# KiCad board dogooder.kicad_pcb
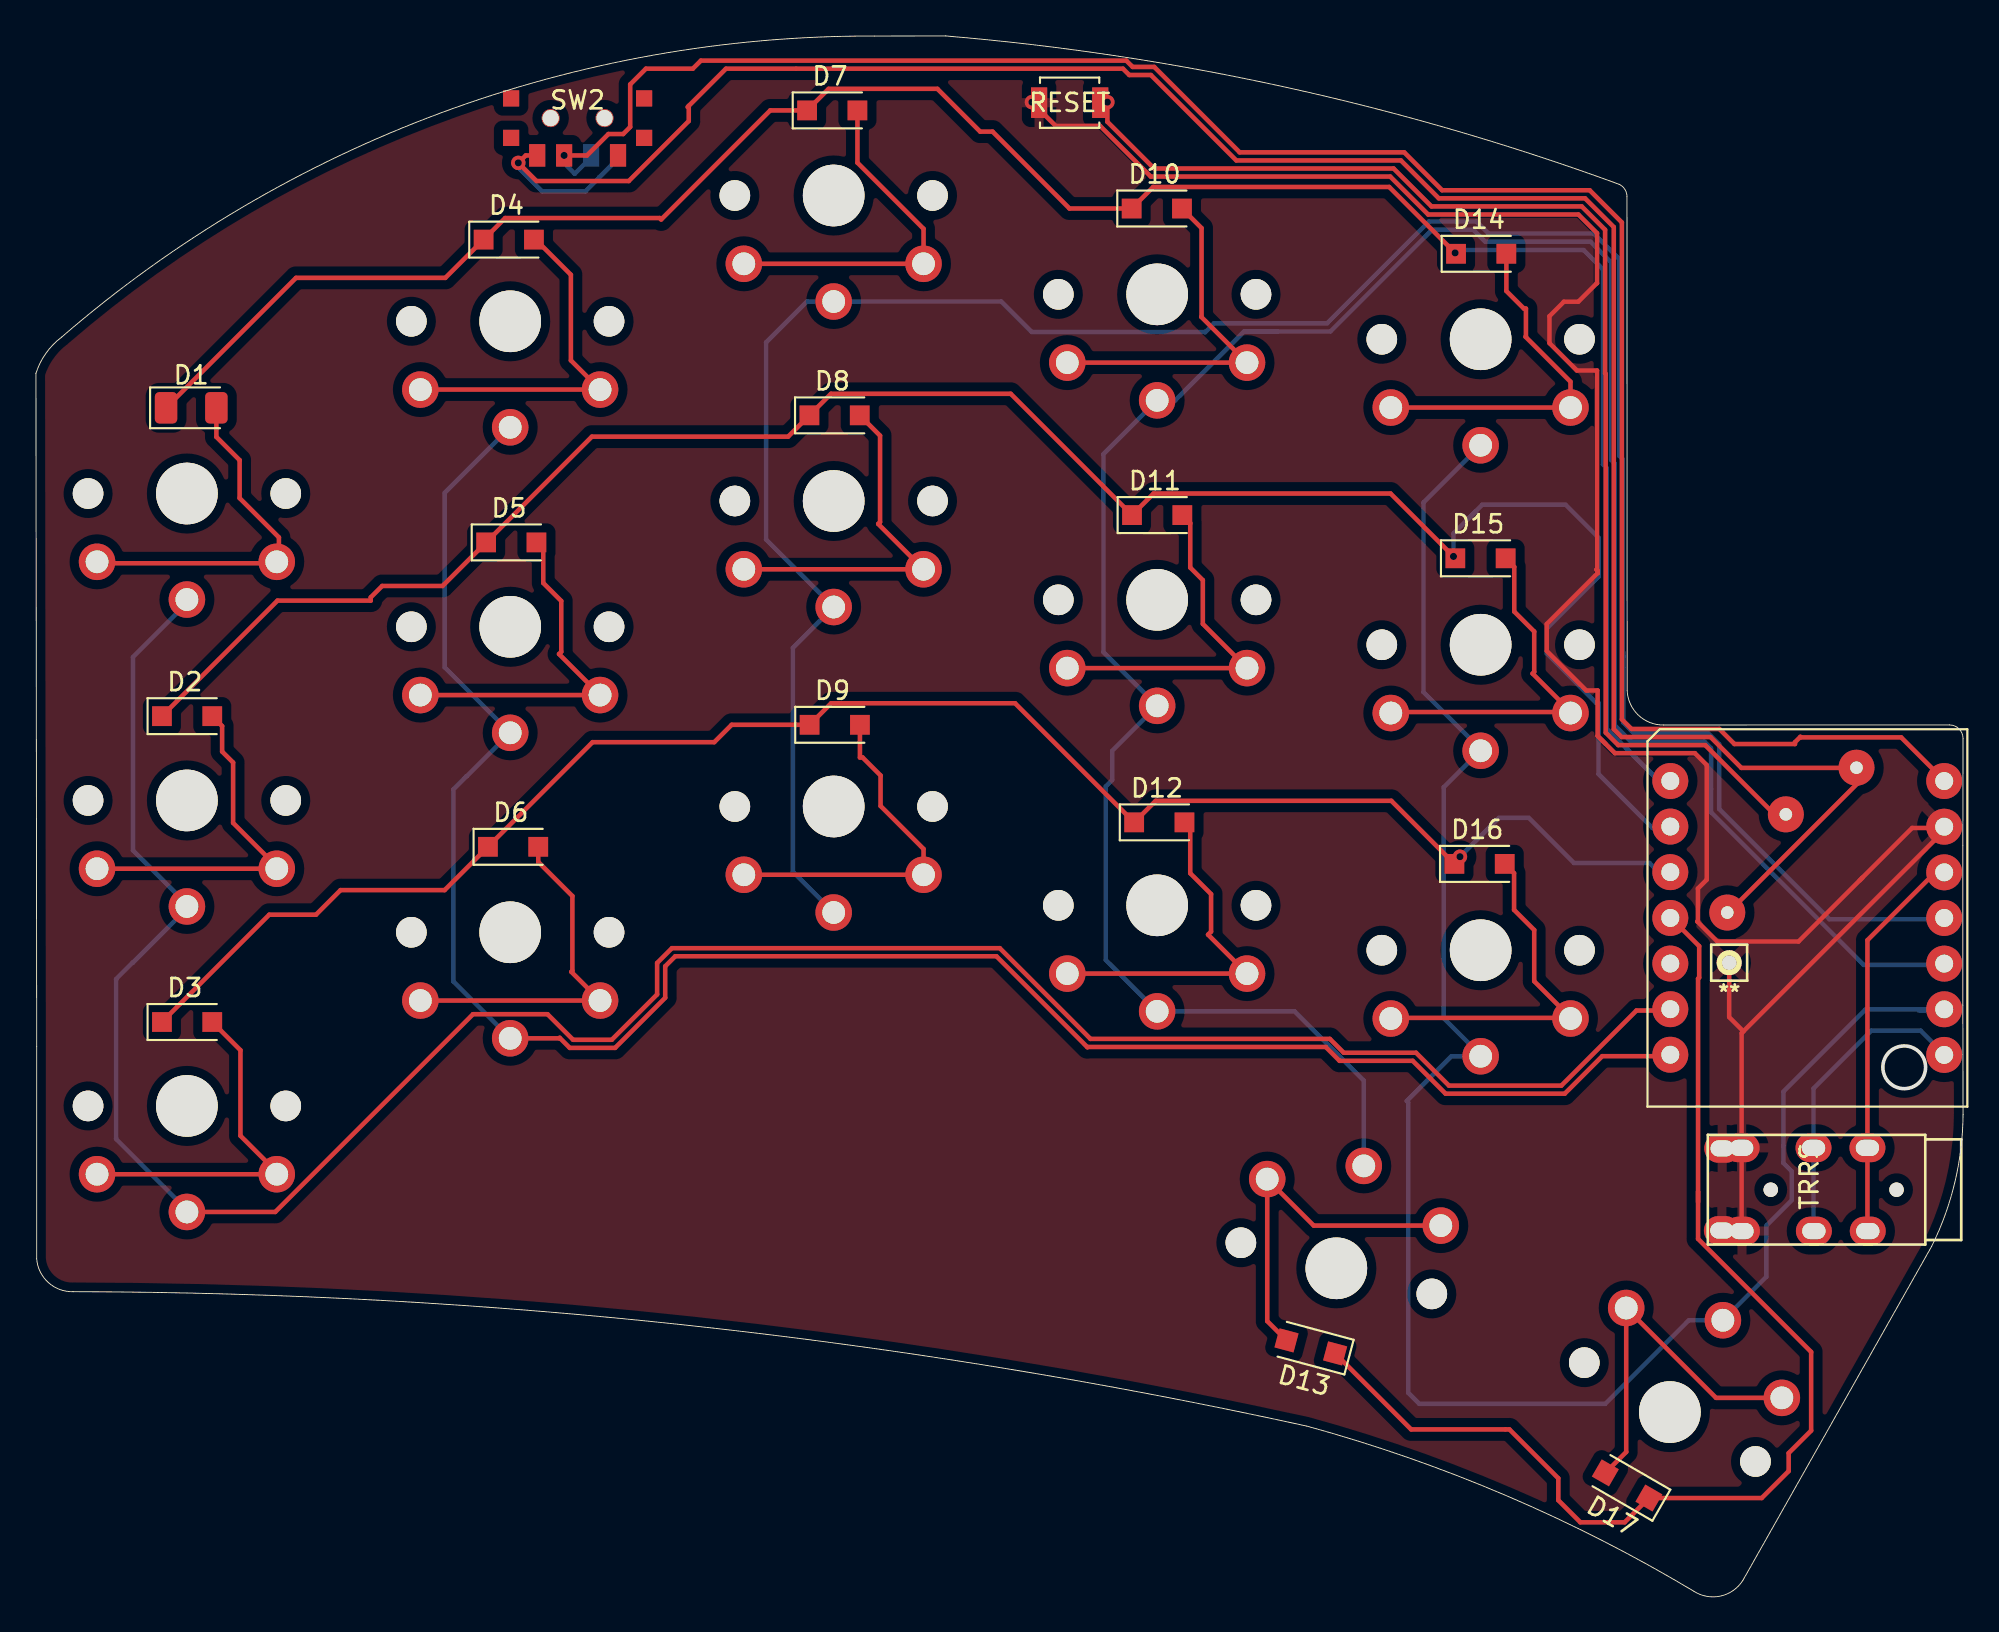
[diagram p0: board, top side]
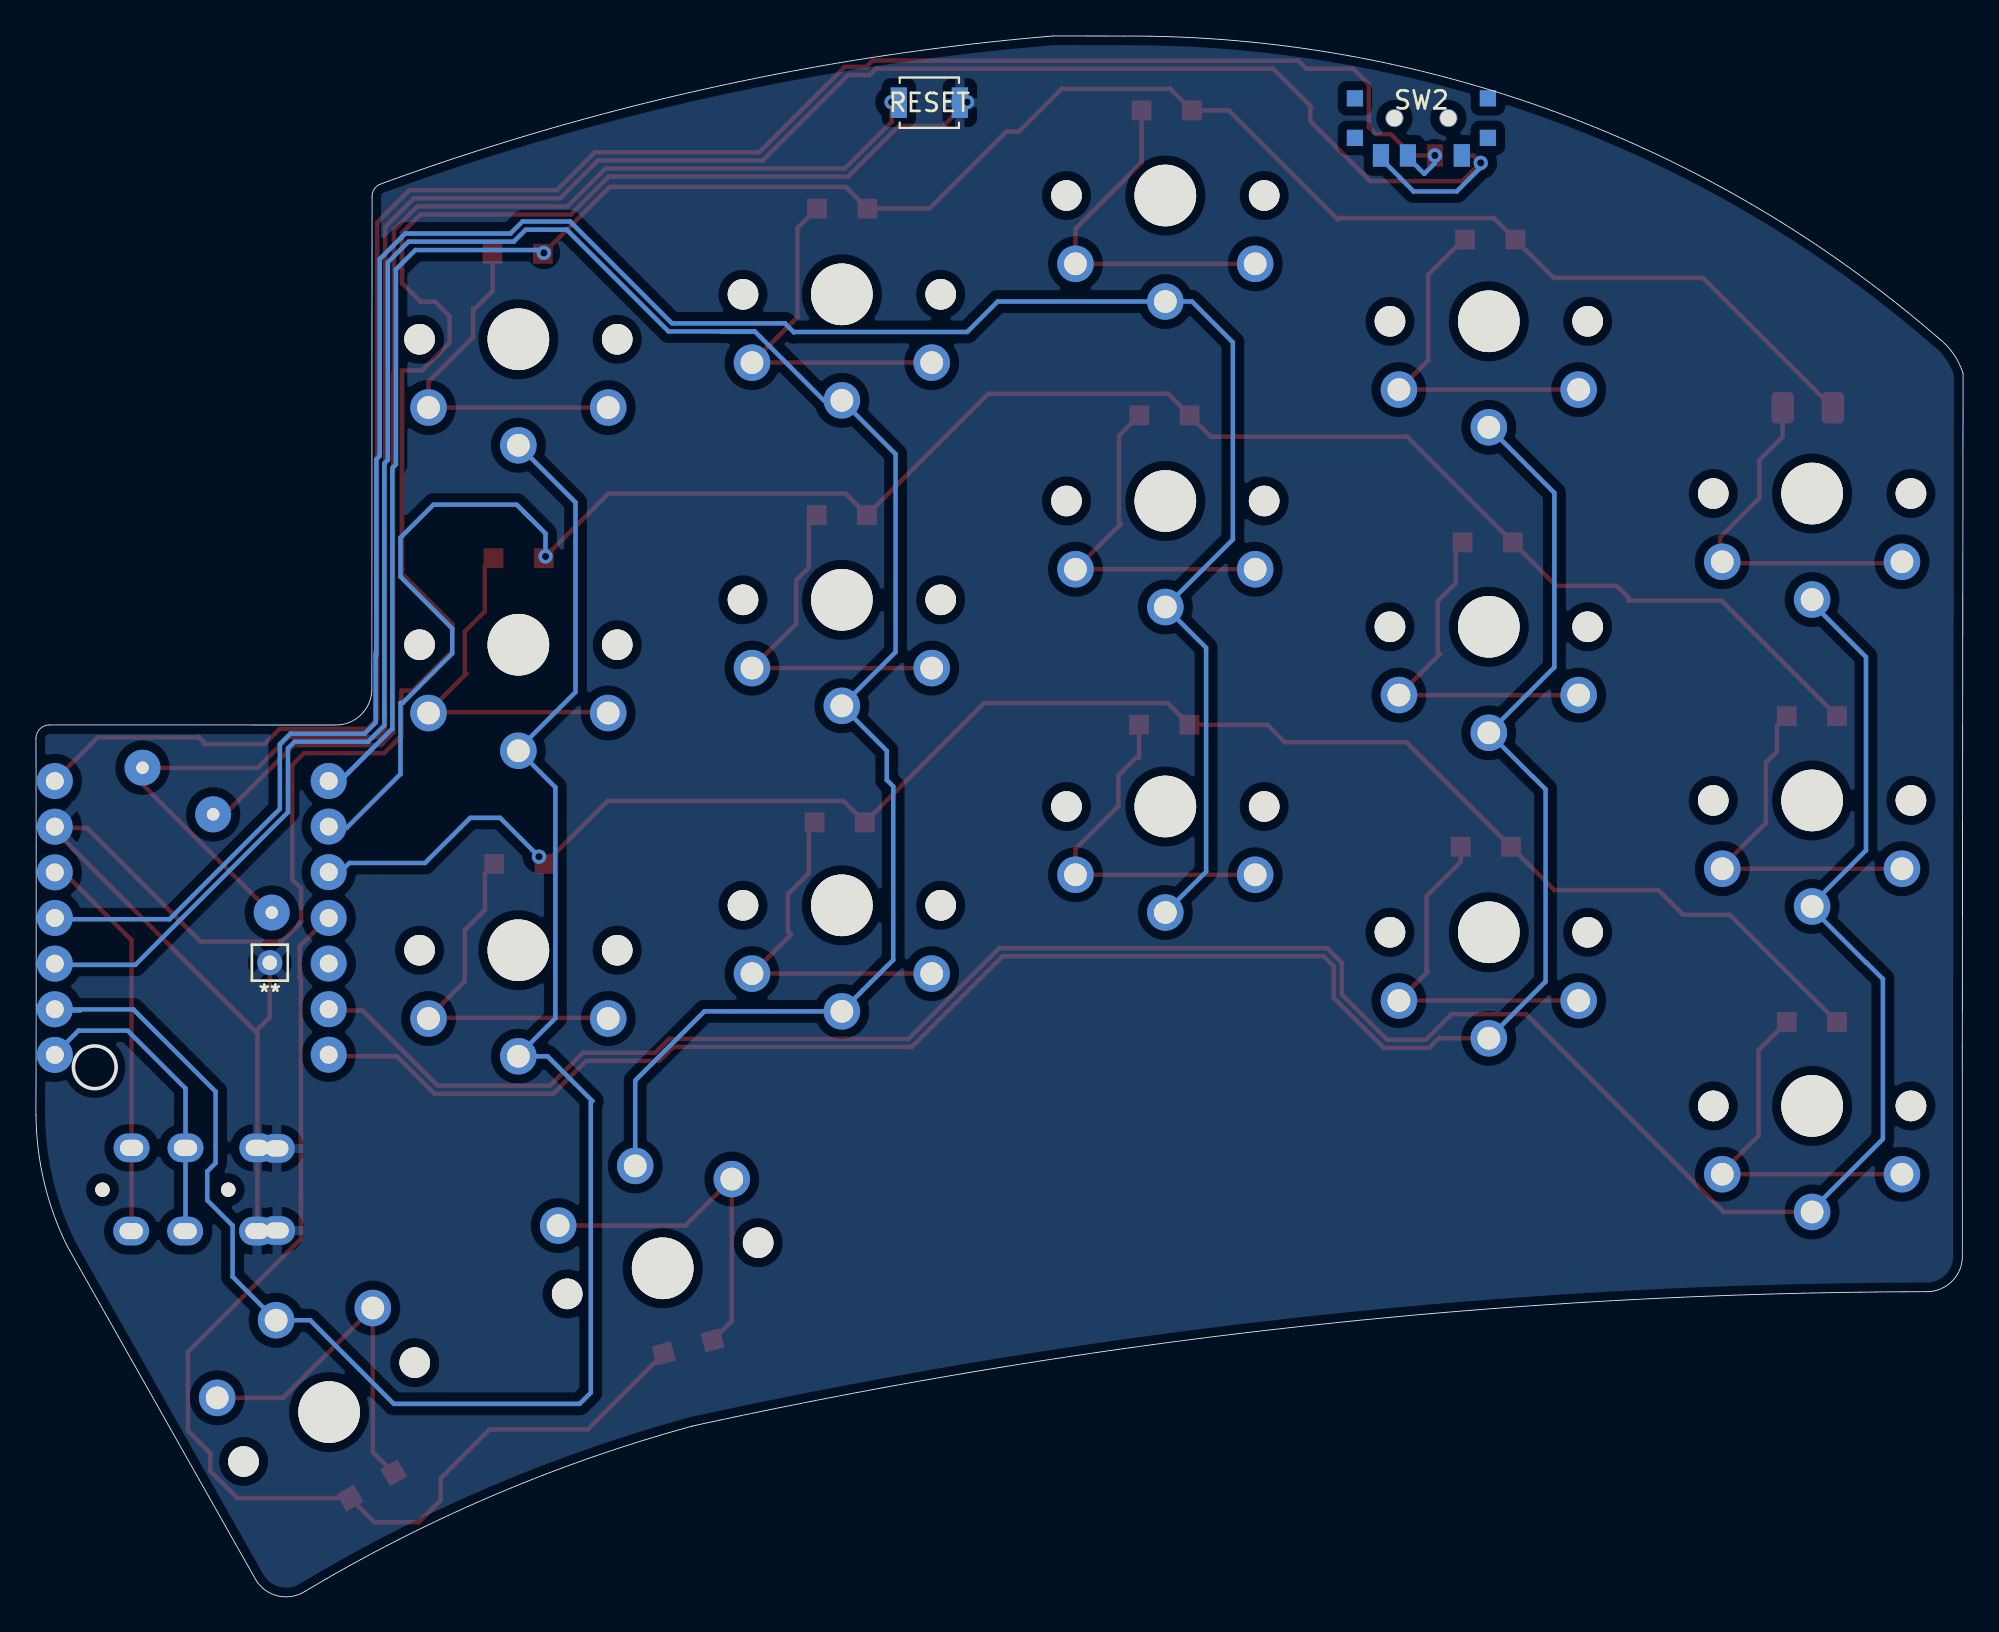
[diagram p1: board, bottom side, seen from below]

Outline 107.23 x 86.82 mm; copper layers: Top, Bottom. Coordinates in mm from the lower left corner of the outline.
Outline path: circle c103.96,29.42 r1.19 ; 0,68.04 0.04,30.6 0.04,18.77 arc(0.69,17.45) 2.08,16.94 arc(36.6,15.03) 70.72,9.46 arc(81.8,5.6) 92.25,0.27 arc(93.74,0) 94.98,0.87 105.49,19.46 arc(106.78,23.03) 107.23,26.79 107.22,32.88 107.22,41.77 107.23,47.73 arc(107.01,48.26) 106.48,48.48 90.58,48.47 arc(89.17,49.02) 88.54,50.4 88.53,77.88 arc(88.41,78.29) 88.1,78.56 arc(69.63,83.95) 50.61,86.82 46.65,86.81 arc(22.52,82.53) 1.43,70.06 arc(0.56,69.16) 0,68.04

## Placement (name value [footprint] x y rotation side)
**  Val**  [1pin_conn]  94.22 35.24 0 top
D1  D  [D_1206_3216Metric]  8.64 66.12 0 top
D2  D  [D_SOD-123F]  8.41 48.96 0 top
D3  D  [D_SOD-123F]  8.41 31.94 0 top
D4  D  [D_SOD-123F]  26.31 75.48 0 top
D5  D  [D_SOD-123F]  26.45 58.63 0 top
D6  D  [D_SOD-123F]  26.55 41.69 0 top
D7  D  [D_SOD-123F]  44.31 82.67 0 top
D8  D  [D_SOD-123F]  44.44 65.7 0 top
D9  D  [D_SOD-123F]  44.45 48.48 0 top
D10  D  [D_SOD-123F]  62.37 77.21 0 top
D11  D  [D_SOD-123F]  62.39 60.15 0 top
D12  D  [D_SOD-123F]  62.51 43.05 0 top
D13  D  [D_SOD-123F]  70.94 13.86 165 top
D14  D  [D_SOD-123F]  80.42 74.69 0 top
D15  D  [D_SOD-123F]  80.38 57.75 0 top
D16  D  [D_SOD-123F]  80.33 40.74 0 top
D17  D  [D_SOD-123F]  88.54 6.15 150 top
G***  LOGO  [tea2]  44.64 23.72 353 top
J1  AudioJack4dpb  [TRRS-PJ-DPB2]  105.13 22.61 270 top
RSW1  SW_PUSH  [SW_SPST_B3U-1000P-ferris]  57.52 83.1 180 top
RSW1#2  SW_PUSH  [SW_SPST_B3U-1000P-ferris]  57.52 83.1 180 bottom
SW2  SW_SPDT  [SPDT_C128955]  30.14 82.24 0 top
SW2#2  SW_PUSH  [SW_PG1350_reversible_b2_v3]  8.4 61.35 0 top
SW2#3  SW_SPDT  [SPDT_C128955r]  30.14 82.24 180 bottom
SW3  SW_PUSH  [SW_PG1350_reversible_b2_v3]  26.39 70.94 0 top
SW4  SW_PUSH  [SW_PG1350_reversible_b2_v3]  44.39 77.94 0 top
SW5  SW_PUSH  [SW_PG1350_reversible_b2_v3]  62.39 72.44 0 top
SW6  SW_PUSH  [SW_PG1350_reversible_b2_v3]  80.39 69.94 0 top
SW8  SW_PUSH  [SW_PG1350_reversible_b2_v3]  8.4 44.27 0 top
SW9  SW_PUSH  [SW_PG1350_reversible_b2_v3]  26.39 53.94 0 top
SW10  SW_PUSH  [SW_PG1350_reversible_b2_v3]  44.39 60.94 0 top
SW11  SW_PUSH  [SW_PG1350_reversible_b2_v3]  62.39 55.44 0 top
SW12  SW_PUSH  [SW_PG1350_reversible_b2_v3]  80.39 52.94 0 top
SW14  SW_PUSH  [SW_PG1350_reversible_b2_v3]  8.4 27.27 0 top
SW15  SW_PUSH  [SW_PG1350_reversible_b2_v3]  26.39 36.94 0 top
SW16  SW_PUSH  [SW_PG1350_reversible_b2_v3]  44.39 43.94 0 top
SW17  SW_PUSH  [SW_PG1350_reversible_b2_v3]  62.39 38.44 0 top
SW18  SW_PUSH  [SW_PG1350_reversible_b2_v3]  80.39 35.94 0 top
SW19  SW_PUSH  [SW_PG1350_reversible_b2_v3]  72.36 18.24 165 top
SW20  SW_PUSH  [SW_PG1350_reversible_b2_v3]  90.92 10.24 150 top
U1  SeeeduinoXIAO  [SeeeduinoXIAO-2.54-21X17.8MM-lpgala-holes]  89.67 27.24 0 top

## Library data of the parts
J1 = -: Field4: Ring2; Field5: Sleeve; Field6: Tip; Field7: Ring1

## Footprints (pads in the part's own frame, mm; a bottom-side part is the same pattern mirrored in y, then rotated)
1pin_conn
  round 1.397 hole 0.813: 1(0,0)
D_1206_3216Metric
  rrect 1.25x1.75 smd: 1(-1.4,0) 2(1.4,0)
D_SOD-123F
  rect 1.1x1.1 smd: 1(-1.4,0) 2(1.4,0)
SeeeduinoXIAO-2.54-21X17.8MM-lpgala-holes
  round 2 hole 1: 1(1.27,18.12) 2(1.27,15.585) 3(1.27,13.049) 4(1.27,10.5) 5(1.27,7.962) 6(1.27,5.422) 7(1.27,2.888) 8(16.51,2.878) 9(16.51,5.418) 10(16.51,7.958) 11(16.51,10.498) 12(16.51,13.038) 13(16.51,15.578) 14(16.51,18.118)
  round 2 hole 0.7: 15(7.699,16.264) 16(4.44,10.8) 16(11.63,18.86)
SPDT_C128955
  round 1 hole 0.9 unplated: (-1.5,0) (1.5,0)
  rect 0.9x0.9 smd: 0(-3.7,1.1) 0(-3.7,-1.1) 0(3.7,1.1) 0(3.7,-1.1)
  rect 0.9x1.25 smd: 1(2.25,-2.075) 2(-0.75,-2.075) 3(-2.25,-2.075)
SPDT_C128955r
  rect 0.9x0.9 smd: 0(-3.7,-1.1) 0(-3.7,1.1) 0(3.7,-1.1) 0(3.7,1.1)
  rect 0.9x1.25 smd: 1(2.25,-2.075) 2(-0.75,-2.075) 3(-2.25,-2.075)
SW_PG1350_reversible_b2_v3
  round 1.702 hole 1.702 unplated: (-5.5,0) (5.5,0)
  round 3.429 hole 3.429 unplated: (0,0)
  round 2.032 hole 1.27: 1(0,-5.9) 2(-5,-3.8) 2(5,-3.8)
SW_SPST_B3U-1000P-ferris
  rect 0.9x1.7 smd: 1(-1.7,0) 2(1.7,0)
TRRS-PJ-DPB2
  round 0.8 hole 0.8 unplated: (0,-1.6) (0,-8.6)
  oval 1.6x2 hole 0.9x1.3: R1(-2.33,-6.22) R1(2.3,-6.2) R2(-2.33,-3.22) R2(2.3,-3.2) S(-2.3,-11.3) S(2.27,-11.32) T(-2.33,-10.22) T(2.3,-10.2)

## Nets
gnd: **.1 J1.S J1.T RSW1.2 RSW1#2.2 U1.13
vcc: J1.R2 U1.12
BT+: SW2.3 SW2#3.3 U1.16
col1: SW2#2.1 SW8.1 SW14.1 U1.6
col2: SW3.1 SW9.1 SW15.1 U1.7
col3: SW4.1 SW10.1 SW16.1 U1.11
col4: SW5.1 SW11.1 SW17.1 SW19.1 U1.10
col5: SW6.1 SW12.1 SW18.1 SW20.1 U1.9
data: J1.R1 U1.8
raw: SW2.2 SW2#3.2 U1.14
reset: RSW1.1 RSW1#2.1 U1.15
row0: D1.1 D4.1 D7.1 D10.1 D14.1 U1.1
row1: D2.1 D5.1 D8.1 D11.1 D15.1 U1.2
row2: D3.1 D6.1 D9.1 D12.1 D16.1 U1.3
row3: D13.1 D17.1 U1.4
Net-(D1-Pad2): D1.2 SW2#2.2
Net-(D2-Pad2): D2.2 SW8.2
Net-(D3-Pad2): D3.2 SW14.2
Net-(D4-Pad2): D4.2 SW3.2
Net-(D5-Pad2): D5.2 SW9.2
Net-(D6-Pad2): D6.2 SW15.2
Net-(D7-Pad2): D7.2 SW4.2
Net-(D8-Pad2): D8.2 SW10.2
Net-(D9-Pad2): D9.2 SW16.2
Net-(D10-Pad2): D10.2 SW5.2
Net-(D11-Pad2): D11.2 SW11.2
Net-(D12-Pad2): D12.2 SW17.2
Net-(D13-Pad2): D13.2 SW19.2
Net-(D14-Pad2): D14.2 SW6.2
Net-(D15-Pad2): D15.2 SW12.2
Net-(D16-Pad2): D16.2 SW18.2
Net-(D17-Pad2): D17.2 SW20.2

Pads without a net: SW2 0 1; SW2#3 0 1; U1 5

## Via types
v1: diameter 0.8, hole 0.4, Top to Bottom, 7 vias

## Routing (per net, layer and track width the routed paths; a pad name or vN(x,y) marks a point on that pad's centre or on a via; arc(x,y) is an arc through that point)
gnd: length 132.3
  Top w0.25: 95.01,31.42 94.22,32.21 **.1 ; 95.01,31.42 105.62,42.03 105.62,42.74 104.4,42.74 101.63,39.97 ; 95.01,31.42 94.91,31.33 J1.T 94.91,20.33 J1.T ; v1(55.42,83.13) 56.74,81.81 59.21,81.81 62.03,78.99 75.36,78.99 77.47,76.88 85.83,76.88 86.87,75.84 86.87,73.06 86.86,73.06 85.82,72.03 85.02,72.03 84.22,71.22 84.22,69.72 85.74,68.2 86.87,68.2 86.87,57.15 86.83,57.11 86.9,57.04 86.9,56.92 84.07,54.09 84.07,52.59 86.27,50.39 86.9,50.39 86.9,47.86 ; 101.63,39.97 101.46,39.81 ; 101.63,39.97 98.08,36.42 93.56,36.42 92.45,37.53 92.48,37.56 92.48,39.37 92.97,39.86 92.97,46.24 92.31,46.9 87.86,46.9 86.9,47.86 ; 86.9,47.86 87.34,47.42
vcc: length 21.4
  Top w0.25: 105.62,40.2 101.91,36.5 J1.R2 101.91,20.33 J1.R2
(no net): length 0.2
  Bottom w0.25: SW2#3.1 27.89,79.96
BT+: length 130.6
  Top w0.25: 36.33,82.93 36.33,82.08 32.99,78.74 27.85,78.74 v1(26.84,79.75) 27.26,80.17 SW2.3 27.89,80.58 ; 36.33,82.93 36.26,82.86 ; 36.33,82.93 38.39,84.99 60.49,84.99 60.84,84.64 62.04,84.64 66.79,79.89 75.95,79.89 78.06,77.78 86.2,77.78 87.8,76.18 87.8,48.24 88.23,47.8 93.18,47.8 94.9,46.09 101.35,46.09 101.35,45.22 94.16,38.03
  Bottom w0.25: SW2#3.3 32.39,79.99 31.34,78.94 31.34,78.93 30.57,78.16 28.17,78.16 26.84,79.5 v1(26.84,79.75)
col1: length 135
  Top w0.25: 90.38,32.58 89.06,32.58 84.88,28.4 78.63,28.4 76.8,30.23 72.77,30.23 72,31 58.68,31 53.63,36.05 35.39,36.05 34.57,35.23 34.57,33.48 32.04,30.95 29.89,30.95 28.47,32.38 24.32,32.38 13.32,21.37 8.52,21.37
  Bottom w0.25: 8.52,55.37 5.4,52.25 5.4,41.49 8.52,38.37 5.4,35.25 5.38,35.25 4.46,34.33 4.46,25.43 8.52,21.37
col2: length 111.1
  Top w0.25: SW15.1 29.11,31.04 29.14,31.07 29.7,30.51 32.23,30.51 35.01,33.29 35.01,35.04 35.58,35.61 53.44,35.61 58.51,30.54 58.52,30.56 71.77,30.56 72.54,29.79 76.61,29.79 78.44,27.95 85.07,27.95 87.16,30.04 90.38,30.04
  Bottom w0.25: SW3.1 22.74,61.39 22.74,51.69 SW9.1 23.98,45.62 23.96,45.62 23.23,44.89 23.23,34.2 SW15.1
col3: length 137.8
  Bottom w0.25: 88.33,52.28 88.33,52.51 ; 88.33,52.28 88.33,48.61 88.94,47.99 93.07,47.99 93.66,47.4 93.66,43.8 99.8,37.66 105.62,37.66 ; 88.33,52.28 88.3,52.32 88.3,63.26 88.1,63.45 88.1,74.41 86.68,75.82 80.83,75.82 80.16,76.49 77.51,76.49 71.84,70.82 65.55,70.82 65.55,70.82 65.06,70.32 65.04,70.34 55.41,70.34 53.72,72.04 SW4.1 42.9,72.04 40.63,69.76 40.63,58.8 SW10.1 42.12,52.77 42.12,40.31 SW16.1
col4: length 140
  Bottom w0.25: 67.26,70.37 67.23,70.37 63.39,66.54 SW5.1 59.4,63.55 59.4,52.53 SW11.1 59.89,47.04 59.89,45.41 59.53,45.05 59.53,35.4 SW17.1 70.04,32.54 73.89,28.69 SW19.1 ; 67.26,70.37 72.03,70.37 77.69,76.03 79.98,76.03 80.64,75.37 86.5,75.37 87.65,74.22 87.65,63.22 87.85,63.03 87.85,49.25 ; 67.26,70.37 67.46,70.37 67.48,70.35 69.11,70.35 ; 87.85,49.25 87.85,48.98 87.85,48.98 ; 87.85,49.25 87.85,48.45 88.76,47.55 92.84,47.55 93.21,47.17 93.21,43.62 101.7,35.12 105.62,35.12
col5: length 105.7
  Bottom w0.25: SW18.1 78.76,30.04 76.28,27.55 76.36,27.46 76.36,11.31 76.98,10.69 87.32,10.69 91.97,15.35 SW20.1 96.29,17.77 96.29,20.61 97.7,22.02 97.7,23.63 97.24,24.1 97.24,28.07 101.81,32.64 106.23,32.64 ; 80.41,30.07 78.33,32.15 78.33,45.01 80.42,47.09 77.21,50.3 77.21,60.86 SW6.1 ; 105.62,32.58 104.76,32.58
data: length 17.2
  Bottom w0.25: J1.R1 98.91,20.33 J1.R1 98.91,28.25 102.13,31.46 104.87,31.46 106.23,30.1
raw: length 116.3
  Top w0.25: 106.23,45.34 103.79,47.78 98.21,47.78 98.18,47.81 97.88,47.51 97.88,47.41 94.51,47.41 93.67,48.25 88.78,48.25 88.25,48.79 88.25,76.44 86.46,78.23 78.25,78.23 76.14,80.34 66.98,80.34 62.23,85.09 61.02,85.09 60.67,85.44 37,85.44 36.55,84.99 33.94,84.99 33.07,84.12 33.07,81.75 32.68,81.36 31.86,81.36 30.67,80.17 v1(29.39,80.17)
  Bottom w0.25: SW2#3.2 30.89,80.05 29.98,79.14 29.39,79.73 v1(29.39,80.17)
reset: length 70.6
  Top w0.25: 96.81,43.43 92.89,47.35 88.05,47.35 87.35,48.05 87.35,68.01 87.32,68.04 87.32,76.03 86.01,77.33 77.65,77.33 75.54,79.44 62.22,79.44 59.62,82.04 v1(59.62,83.13)
row0: length 125.8
  Top w0.25: D1.1 14.47,73.35 22.78,73.35 D4.1 26.11,76.68 34.71,76.68 34.79,76.6 40.86,82.67 D7.1 44.11,83.87 50.16,83.87 52.54,81.49 53.23,81.49 57.51,77.21 D10.1 62.17,78.41 75.3,78.41 v1(78.97,74.74) D14.1
  Bottom w0.25: v1(78.97,74.74) 79.13,74.9 86.12,74.9 87.2,73.82 87.2,62.97 87.4,62.78 87.4,48.26 88.52,47.15 ; 88.52,47.15 90.38,45.28 ; 88.52,47.15 90.32,45.34 90.99,45.34
row1: length 116
  Top w0.25: D2.1 13.44,55.39 18.63,55.39 18.63,55.57 19.27,56.21 22.63,56.21 D5.1 30.93,64.52 41.85,64.52 D8.1 44.24,66.9 54.24,66.9 D11.1 62.19,61.35 75.38,61.35 v1(78.88,57.85) D15.1
  Bottom w0.25: 80.12,60.37 80.48,60.73 85.11,60.73 86.95,58.89 86.95,56.72 84.07,53.84 84.07,52.45 86.82,49.7 86.95,49.7 86.95,45.74 89.95,42.74 90.38,42.74 ; 80.12,60.37 79.68,59.93 ; 80.12,60.37 78.88,59.13 v1(78.88,57.85)
row2: length 97.3
  Top w0.25: D3.1 12.98,37.91 15.58,37.91 16.95,39.28 22.74,39.28 D6.1 30.97,47.52 37.75,47.52 38.71,48.48 D9.1 44.25,49.68 54.48,49.68 D12.1 62.31,44.25 75.42,44.25 D16.1
  Bottom w0.25: 90.38,40.2 89.79,40.8 85.58,40.8 83.07,43.3 81.4,43.3 v1(79.24,41.14)
row3: length 66.2
  Top w0.25: 92.49,22.49 92.49,19.88 98.78,13.58 98.78,9.21 97.53,7.96 97.53,6.95 96.03,5.45 D17.1 88.4,4.1 85.94,4.1 84.71,5.33 84.71,6.55 81.99,9.27 76.52,9.27 D13.1 ; 92.49,22.49 92.49,34.36 92.55,34.42 92.55,36.17 90.99,37.73 ; 92.49,22.49 92.49,21.92
Net-(D1-Pad2): length 20.1
  Top w0.25: D1.2 10.04,64.5 11.33,63.21 11.33,61.1 13.52,58.91 13.52,57.47 3.52,57.47
Net-(D2-Pad2): length 20
  Top w0.25: 3.52,40.47 13.52,40.47 10.97,43.02 10.97,46.38 10.36,47 10.36,48.42 D2.2
Net-(D3-Pad2): length 20
  Top w0.25: 3.52,23.47 13.52,23.47 11.38,25.61 11.38,30.37 D3.2
Net-(D4-Pad2): length 19.9
  Top w0.25: D4.2 27.81,75.48 29.77,73.53 29.77,68.76 SW3.2 SW3.2
Net-(D5-Pad2): length 20.1
  Top w0.25: D5.2 28.23,58.26 28.23,56.38 29.23,55.37 29.23,52.54 29.11,52.42 SW9.2 SW9.2
Net-(D6-Pad2): length 20
  Top w0.25: D6.2 27.95,40.85 29.85,38.95 29.85,34.79 29.79,34.74 SW15.2 SW15.2
Net-(D7-Pad2): length 20.1
  Top w0.25: D7.2 45.71,79.76 49.39,76.09 SW4.2 SW4.2
Net-(D8-Pad2): length 20.1
  Top w0.25: SW10.2 SW10.2 46.87,59.66 46.97,59.76 46.97,64.57 D8.2
Net-(D9-Pad2): length 19.9
  Top w0.25: D9.2 45.85,46.66 46,46.66 47,45.66 47,43.97 49.39,41.58 SW16.2 SW16.2
Net-(D10-Pad2): length 20.1
  Top w0.25: D10.2 64.86,76.12 64.86,71.19 64.85,71.18 SW5.2 SW5.2
Net-(D11-Pad2): length 20
  Top w0.25: D11.2 64.23,59.72 64.23,57.24 64.93,56.53 64.93,54.1 SW11.2 SW11.2
Net-(D12-Pad2): length 20
  Top w0.25: SW17.2 SW17.2 65.22,36.81 65.39,36.97 65.39,39.06 64.23,40.22 64.23,42.74 D12.2
Net-(D13-Pad2): length 20.2
  Top w0.25: SW19.2 71.1,20.62 SW19.2 68.51,15.3 D13.2
Net-(D14-Pad2): length 20.1
  Top w0.25: SW6.2 SW6.2 85.39,67.58 82.89,70.08 82.91,70.09 82.91,71.64 82.8,71.64 81.82,72.62 D14.2
Net-(D15-Pad2): length 20.1
  Top w0.25: 75.42,49.19 85.42,49.19 83.28,51.33 83.37,51.42 83.37,53.67 82.26,54.79 82.26,57.27 D15.2
Net-(D16-Pad2): length 20.1
  Top w0.25: D16.2 82.25,40.23 82.25,38.19 83.37,37.06 83.37,34.21 85.41,32.17 75.41,32.17
Net-(D17-Pad2): length 20.4
  Top w0.25: D17.2 88.49,8.02 SW20.2 93.49,11.03 SW20.2

## Copper pours and planes (outline as drawn; the poured copper is in the pictures)
gnd on Top: 76.32,91.14 79.78,90.72 116.63,90.01 113.95,32.26 111.11,-9.18 -10.53,0.2 -10.53,83.23 69.12,95.52
gnd on Bottom: 76.9,93.61 80.36,93.19 117.21,92.48 114.53,34.73 111.69,-6.71 -9.95,2.67 -9.95,85.7 69.7,97.99
